# KiCad board LV08.kicad_pcb (continued)
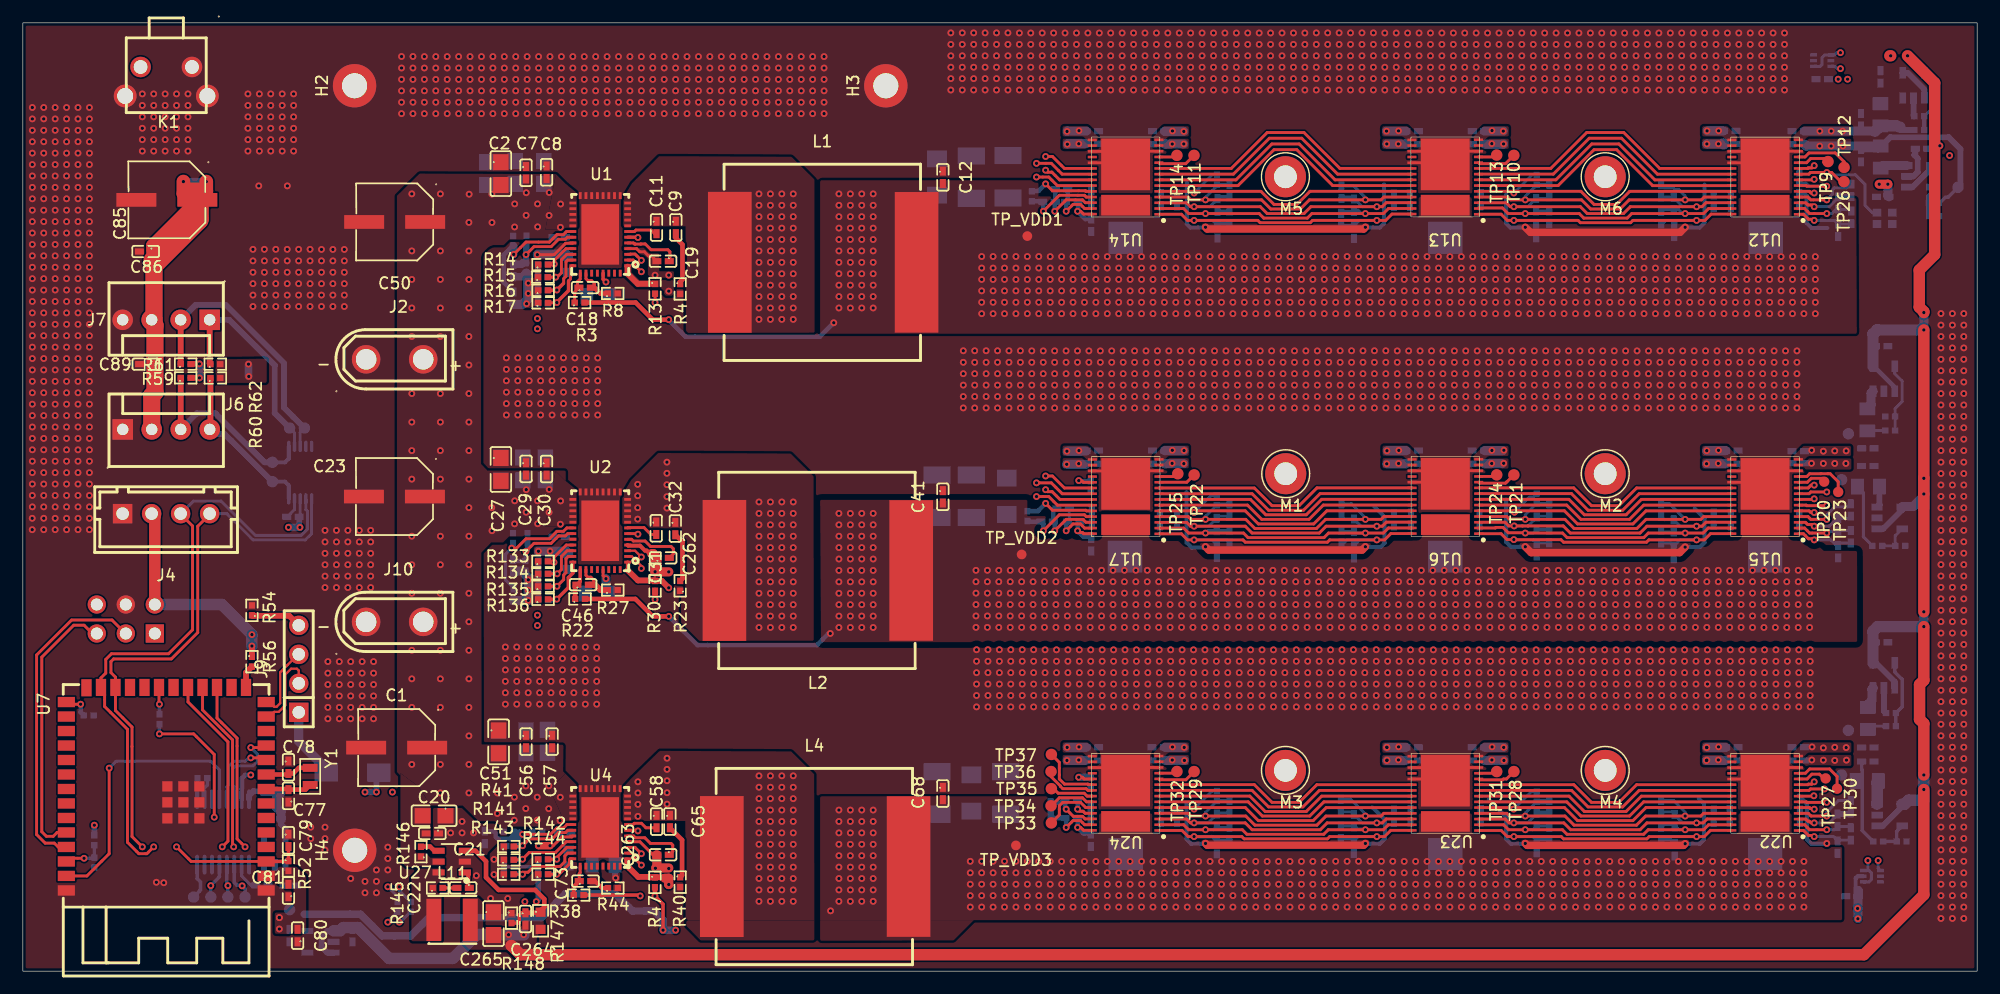
[diagram p0: board, top side]
## Routing (per net, layer and track width the routed paths; a pad name or vN(x,y) marks a point on that pad's centre or on a via; arc(x,y) is an arc through that point) (continued)
Net-(U27-EN): length 1.7
  Top w0.4: U27.4 36.03,10.55 35.66,10.92 34.88,10.92 R146.2
Net-(U27-FB): length 14.1
  Top w0.3: C264.1 43.66,5.12 43.47,4.93 43.47,4.31 43.38,4.22 R148.2
  Top w0.4: 43.97,5.08 C264.1 45.11,5.12 45.36,5.37 45.41,5.37 45.66,5.62 45.66,6.32 44.86,7.12 41.66,7.12 40.56,8.22 40.56,9.62 39.63,10.55 U27.3

## Copper pours and planes (outline as drawn; the poured copper is in the pictures)
/BM1366_mode1_sheet_1/0V8 on Top: 160.11,72.95 160.11,71.98 156.1,71.99 155.87,72.22 155.03,72.22 155.03,72.52 155.97,72.52 156.4,72.95
/BM1366_mode1_sheet_1/0V8 on Top: 102.1,72.95 102.1,72.06 100.09,72.06 99.94,72.22 99.03,72.22 99.03,72.52 99.97,72.52 100.4,72.95
/BM1366_mode1_sheet_1/0V8 on Top: 130.12,72.95 130.12,72.06 128.11,72.06 127.96,72.22 127.04,72.22 127.04,72.52 127.98,72.52 128.41,72.95
/BM1366_mode1_sheet_1/0V8 on Top: 119.04,72.95 119.04,72.06 121.05,72.06 121.2,72.22 122.11,72.22 122.11,72.52 121.17,72.52 120.74,72.95
/BM1366_mode1_sheet_1/0V8 on Top: 91.05,72.95 91.05,72.06 93.06,72.06 93.21,72.22 94.12,72.22 94.12,72.52 93.18,72.52 92.75,72.95
/BM1366_mode1_sheet_1/0V8 on Top: 147.06,72.95 147.06,72.06 149.06,72.06 149.22,72.22 150.13,72.22 150.13,72.52 149.19,72.52 148.76,72.95
/BM1366_mode1_sheet_1/0V8 on In2.Cu: 91.04,72.95 91.04,71.99 93.09,71.99 94.19,73.09 99.03,73.1 100.07,72.08 102.28,72.08 103.19,72.98 108.09,72.99 109.58,74.48 111.56,74.48 113.06,72.99 117.85,72.99 118.76,72.08 121.18,72.08 122.19,73.09 126.96,73.08 127.96,72.08 130.37,72.08 131.29,72.98 136.09,72.98 137.61,74.49 139.57,74.49 141.07,72.99 145.85,72.99 146.77,72.09 149.18,72.09 150.19,73.09 154.97,73.09 156.07,71.98 160.11,71.98 160.11,72.96 156.4,72.95 155.41,73.94 149.73,73.94 148.75,72.95 147.19,72.95 146.28,73.85 143.61,73.85 143.18,73.85 143.11,73.84 141.56,73.84 141.5,73.85 141.47,73.86 139.99,75.34 137.15,75.35 135.66,73.84 132.81,73.84 132.21,73.85 130.86,73.84 130.56,73.55 129.96,72.94 128.4,72.94 127.39,73.95 121.72,73.93 120.81,72.99 120.75,72.94 119.19,72.95 118.27,73.85 115.03,73.83 113.56,73.84 113.5,73.84 111.99,75.34 109.28,75.34 109.17,75.35 107.65,73.83 104.47,73.85 102.85,73.85 101.94,72.93 100.37,72.94 99.39,73.94 93.75,73.94 92.8,72.98 92.76,72.95
/BM1366_mode1_sheet_1/1V8 on Top: 102.1,74.05 102.1,73.08 100.35,73.08 99.99,72.72 99.03,72.72 99.03,73.16 99.91,74.05
/BM1366_mode1_sheet_1/1V8 on Top: 119.04,74.05 119.04,73.08 120.79,73.08 121.15,72.72 122.11,72.72 122.11,73.16 121.23,74.05
/BM1366_mode1_sheet_1/1V8 on Top: 91.05,74.05 91.05,73.08 92.8,73.08 93.16,72.72 94.12,72.72 94.12,73.16 93.23,74.05
/BM1366_mode1_sheet_1/1V8 on Top: 130.12,74.05 130.12,73.08 128.36,73.08 128.01,72.72 127.04,72.72 127.04,73.16 127.93,74.05
/BM1366_mode1_sheet_1/1V8 on Top: 147.06,74.05 147.06,73.08 148.81,73.08 149.17,72.72 150.13,72.72 150.13,73.16 149.24,74.05
/BM1366_mode1_sheet_1/1V8 on Top: 160.09,74.05 160.09,73.08 156.35,73.08 156,72.72 155.03,72.72 155.03,73.16 155.92,74.05
/BM1366_mode1_sheet_1/1V8 on Bottom: 165.06,67.62 165.06,64.34 163.46,64.34 163.46,67.47 163.16,67.77 163.39,68.05 163.91,68.05 163.91,67.87 164.09,67.7 164.16,67.67 164.61,67.67 164.69,67.62
/BM1366_mode1_sheet_1/1V8 on In2.Cu: 91.03,73.25 91.14,73.15 92.69,73.15 93.61,74.07 99.56,74.07 100.46,73.17 101.89,73.17 102.78,74.07 107.59,74.07 109.09,75.57 112.06,75.57 113.56,74.07 118.36,74.07 119.26,73.17 120.69,73.17 121.59,74.07 127.56,74.07 128.46,73.17 129.89,73.17 130.78,74.07 135.59,74.07 137.09,75.57 140.06,75.57 141.56,74.07 146.36,74.07 147.26,73.17 148.69,73.17 149.59,74.07 155.56,74.07 156.46,73.17 160.11,73.17 160.11,74.15 156.81,74.15 156.01,74.95 141.99,74.95 140.53,76.45 136.66,76.45 135.11,74.95 113.96,74.97 112.49,76.45 108.66,76.45 107.16,74.95 93.16,74.95 92.36,74.15 91.03,74.15
/BM1366_mode1_sheet_1/VDD_1 on Top, Bottom, In1.Cu, In2.Cu, In3.Cu, In4.Cu: 69.82,69.2 69.82,55.86 160.6,55.86 160.54,67.75 88.36,67.9 88.93,67.9 88.93,69.32 69.89,69.32
/BM1366_mode1_sheet_2/0V8_2 on Top: 160.11,44.94 160.11,43.96 156.1,43.97 155.87,44.2 155.03,44.2 155.03,44.51 155.97,44.51 156.4,44.94
/BM1366_mode1_sheet_2/0V8_2 on Top: 147.06,44.94 147.06,44.05 149.06,44.05 149.22,44.2 150.13,44.2 150.13,44.51 149.19,44.51 148.76,44.94
/BM1366_mode1_sheet_2/0V8_2 on Top: 119.07,44.96 119.07,44.07 121.07,44.07 121.23,44.23 122.14,44.23 122.14,44.53 121.2,44.53 120.77,44.96
/BM1366_mode1_sheet_2/0V8_2 on Top: 130.09,44.94 130.09,44.05 128.08,44.05 127.93,44.2 127.02,44.2 127.02,44.51 127.96,44.51 128.39,44.94
/BM1366_mode1_sheet_2/0V8_2 on Top: 102.1,44.96 102.1,44.07 100.09,44.07 99.94,44.23 99.03,44.23 99.03,44.53 99.97,44.53 100.4,44.96
/BM1366_mode1_sheet_2/0V8_2 on Top: 91.05,44.96 91.05,44.07 93.06,44.07 93.21,44.23 94.12,44.23 94.12,44.53 93.18,44.53 92.75,44.96
/BM1366_mode1_sheet_2/0V8_2 on Bottom: 155.57,44.94 155.57,44.05 155.82,43.79 157.72,43.79 159.76,41.76 161.28,41.76 161.28,44.94
/BM1366_mode1_sheet_2/0V8_2 on In2.Cu: 91.04,44.94 91.04,43.98 93.09,43.98 94.19,45.08 99.03,45.09 100.07,44.07 102.28,44.07 103.19,44.97 108.09,44.98 109.58,46.47 111.56,46.47 113.06,44.98 117.85,44.98 118.76,44.07 121.18,44.07 122.19,45.08 126.96,45.07 127.96,44.07 130.37,44.07 131.29,44.97 136.09,44.97 137.61,46.48 139.57,46.48 141.07,44.98 145.85,44.98 146.77,44.08 149.18,44.08 150.19,45.08 154.97,45.08 156.07,43.97 160.11,43.97 160.11,44.95 156.4,44.94 155.41,45.93 149.73,45.93 148.75,44.94 147.19,44.94 146.28,45.84 143.61,45.84 143.18,45.84 143.1,45.83 141.56,45.83 141.49,45.83 141.46,45.85 139.99,47.33 137.15,47.34 135.65,45.83 132.81,45.83 132.2,45.83 130.85,45.83 130.56,45.54 129.96,44.93 128.4,44.93 127.39,45.94 121.72,45.92 120.81,44.98 120.75,44.93 119.19,44.93 118.26,45.84 115.03,45.82 113.55,45.83 113.49,45.83 111.99,47.33 109.28,47.33 109.16,47.33 107.65,45.81 104.47,45.83 102.85,45.84 101.94,44.92 100.37,44.93 99.38,45.93 93.75,45.92 92.8,44.97 92.76,44.93
/BM1366_mode1_sheet_2/1V8_2 on Top: 91.05,46.05 91.05,45.09 92.8,45.09 93.16,44.73 94.12,44.73 94.12,45.17 93.23,46.05
/BM1366_mode1_sheet_2/1V8_2 on Top: 130.09,46.03 130.09,45.06 128.34,45.06 127.98,44.71 127.02,44.71 127.02,45.14 127.91,46.03
/BM1366_mode1_sheet_2/1V8_2 on Top: 160.09,46.03 160.09,45.06 156.35,45.06 156,44.71 155.03,44.71 155.03,45.14 155.92,46.03
/BM1366_mode1_sheet_2/1V8_2 on Top: 147.06,46.03 147.06,45.06 148.81,45.06 149.17,44.71 150.13,44.71 150.13,45.14 149.24,46.03
/BM1366_mode1_sheet_2/1V8_2 on Top: 119.07,46.05 119.07,45.09 120.82,45.09 121.17,44.73 122.14,44.73 122.14,45.17 121.25,46.05
/BM1366_mode1_sheet_2/1V8_2 on Top: 102.1,46.05 102.1,45.09 100.35,45.09 99.99,44.73 99.03,44.73 99.03,45.17 99.91,46.05
/BM1366_mode1_sheet_2/1V8_2 on Bottom: 155.83,46.22 157.98,46.21 159.5,47.73 162.3,47.73 162.3,46.72 161.79,46.21 161.15,46.21 161.15,45.06 155.57,45.06 155.57,45.95
/BM1366_mode1_sheet_2/1V8_2 on In2.Cu: 91.03,45.23 91.13,45.13 92.68,45.13 93.61,46.06 99.56,46.06 100.46,45.16 101.88,45.16 102.78,46.06 107.58,46.06 109.08,47.56 112.06,47.56 113.56,46.06 118.36,46.06 119.26,45.16 120.68,45.16 121.58,46.06 127.56,46.06 128.46,45.16 129.88,45.16 130.78,46.06 135.58,46.06 137.08,47.56 140.06,47.56 141.56,46.06 146.36,46.06 147.26,45.16 148.68,45.16 149.58,46.06 155.56,46.06 156.46,45.16 160.11,45.16 160.11,46.13 156.81,46.13 156.01,46.93 141.98,46.93 140.53,48.43 136.66,48.43 135.11,46.93 113.96,46.96 112.48,48.43 108.66,48.43 107.16,46.93 93.16,46.93 92.36,46.13 91.03,46.13
/BM1366_mode1_sheet_2/VDD_2 on Top, Bottom, In1.Cu, In2.Cu, In3.Cu, In4.Cu: 69.82,41.3 69.89,28.83 160.62,28.86 160.62,34.8 160.61,36.82 159.6,36.83 157.7,36.83 155.95,38.41 155.95,39.58 87.96,39.89 87.96,41.3
/BM1366_mode1_sheet_3/0V8_3 on Top: 130.09,18.95 130.09,18.06 128.08,18.06 127.93,18.22 127.02,18.22 127.02,18.52 127.96,18.52 128.39,18.95
/BM1366_mode1_sheet_3/0V8_3 on Top: 119.04,18.94 119.04,18.05 121.05,18.05 121.2,18.2 122.11,18.2 122.11,18.51 121.17,18.51 120.74,18.94
/BM1366_mode1_sheet_3/0V8_3 on Top: 147.06,18.95 147.06,18.06 149.06,18.06 149.22,18.22 150.13,18.22 150.13,18.52 149.19,18.52 148.76,18.95
/BM1366_mode1_sheet_3/0V8_3 on Top: 91.05,18.95 91.05,18.06 93.06,18.06 93.21,18.22 94.12,18.22 94.12,18.52 93.18,18.52 92.75,18.95
/BM1366_mode1_sheet_3/0V8_3 on Top: 160.11,18.95 160.11,17.99 156.1,17.99 155.87,18.22 155.03,18.22 155.03,18.52 155.97,18.52 156.4,18.95
/BM1366_mode1_sheet_3/0V8_3 on Top: 102.1,18.95 102.1,18.06 100.09,18.06 99.94,18.22 99.03,18.22 99.03,18.52 99.97,18.52 100.4,18.95
/BM1366_mode1_sheet_3/0V8_3 on Bottom: 155.64,18.95 155.64,18.14 155.9,17.89 157.8,17.89 159.73,15.95 161.36,15.96 161.36,18.95
/BM1366_mode1_sheet_3/0V8_3 on In2.Cu: 91.04,18.96 91.04,18 93.09,18 94.19,19.1 99.03,19.11 100.07,18.09 102.28,18.09 103.19,18.99 108.09,19 109.58,20.49 111.56,20.49 113.06,19 117.85,19 118.76,18.09 121.18,18.09 122.19,19.1 126.96,19.09 127.96,18.09 130.37,18.09 131.29,18.99 136.09,18.99 137.61,20.5 139.57,20.5 141.07,19 145.85,19 146.77,18.1 149.18,18.1 150.19,19.1 154.97,19.1 156.07,17.99 160.11,17.99 160.11,18.97 156.4,18.96 155.41,19.95 149.73,19.95 148.75,18.96 147.19,18.96 146.28,19.86 143.61,19.86 143.18,19.85 143.11,19.85 141.56,19.85 141.5,19.85 141.47,19.87 139.99,21.35 137.15,21.35 135.65,19.85 132.81,19.85 132.21,19.85 130.86,19.85 130.56,19.55 129.96,18.95 128.4,18.95 127.39,19.95 121.72,19.94 120.81,19 120.75,18.95 119.19,18.95 118.27,19.86 115.03,19.84 113.56,19.85 113.49,19.85 111.99,21.35 109.28,21.35 109.17,21.35 107.65,19.83 104.47,19.85 102.85,19.86 101.94,18.94 100.37,18.95 99.39,19.95 93.75,19.94 92.8,18.99 92.76,18.95
/BM1366_mode1_sheet_3/1V8_3 on Top: 91.05,20.05 91.05,19.08 92.8,19.08 93.16,18.72 94.12,18.72 94.12,19.16 93.23,20.05
/BM1366_mode1_sheet_3/1V8_3 on Top: 119.04,20.03 119.04,19.07 120.79,19.07 121.15,18.71 122.11,18.71 122.11,19.14 121.23,20.03
/BM1366_mode1_sheet_3/1V8_3 on Top: 102.1,20.05 102.1,19.08 100.35,19.08 99.99,18.72 99.03,18.72 99.03,19.16 99.91,20.05
/BM1366_mode1_sheet_3/1V8_3 on Top: 147.06,20.05 147.06,19.08 148.81,19.08 149.17,18.72 150.13,18.72 150.13,19.16 149.24,20.05
/BM1366_mode1_sheet_3/1V8_3 on Top: 130.09,20.05 130.09,19.08 128.34,19.08 127.98,18.72 127.02,18.72 127.02,19.16 127.91,20.05
/BM1366_mode1_sheet_3/1V8_3 on Top: 160.11,20.05 160.11,19.08 156.35,19.08 156,18.72 155.03,18.72 155.03,19.16 155.92,20.05
/BM1366_mode1_sheet_3/1V8_3 on Bottom: 162.27,21.75 159.68,21.75 158.16,20.22 155.97,20.22 155.62,19.97 155.62,19.16 161.41,19.16 161.41,20.27 161.66,20.27 162.27,20.63
/BM1366_mode1_sheet_3/1V8_3 on In2.Cu: 91.03,19.25 91.13,19.15 92.68,19.15 93.61,20.08 99.56,20.08 100.46,19.18 101.88,19.18 102.78,20.08 107.58,20.08 109.08,21.58 112.06,21.58 113.56,20.08 118.36,20.08 119.26,19.18 120.68,19.18 121.58,20.08 127.56,20.08 128.46,19.18 129.88,19.18 130.78,20.08 135.58,20.08 137.08,21.58 140.06,21.58 141.56,20.08 146.36,20.08 147.26,19.18 148.68,19.18 149.58,20.08 155.56,20.08 156.46,19.18 160.11,19.18 160.11,20.15 156.81,20.15 156.01,20.95 141.98,20.95 140.53,22.45 136.66,22.45 135.11,20.95 113.96,20.98 112.48,22.45 108.66,22.45 107.16,20.95 93.16,20.95 92.36,20.15 91.03,20.15
/BM1366_mode1_sheet_3/VDD_3 on Top: 69.82,4.47 69.82,2.67 81.5,2.7 83.28,4.48
/BM1366_mode1_sheet_3/VDD_3 on Top, Bottom, In1.Cu, In2.Cu, In3.Cu, In4.Cu: 69.82,15.32 69.82,4.47 159.3,4.47 159.3,10.88 156.48,10.88 155.87,11.54 155.9,13.44 155.19,13.44 154.8,13.82 93.51,13.82 89.86,13.82 89.83,15.32
/Buck_Converters_TPS546D24ARVFR/AGND0 on Top: 45.41,62.29 44.82,62.29 44.82,60.76 43.91,60.76 43.91,58.12 44.42,58.12 44.62,58.3 45.41,58.27
/Buck_Converters_TPS546D24ARVFR/AGND0 on Bottom: 51.36,60.82 50.74,60.82 50.63,60.72 50.63,58.47 51.51,58.47 51.51,60.72
/Buck_Converters_TPS546D24ARVFR/AGND1 on Top: 45.41,36.25 44.82,36.25 44.82,34.73 43.91,34.73 43.91,32.08 44.42,32.08 44.62,32.26 45.41,32.24
/Buck_Converters_TPS546D24ARVFR/AGND2 on Top: 50.97,9.61 50.66,9.61 50.66,8.28 51.15,7.8 52.09,7.8 52.29,8.01 52.29,8.64 51.17,8.64 50.97,8.84
/Buck_Converters_TPS546D24ARVFR/AGND2 on Top: 45.38,8.18 44.67,7.47 41.75,7.47 40.88,8.34 40.88,10.29 41.85,11.26 42.41,11.26 42.41,9.4 42.46,9.35 43.93,9.35 44.77,10.16 45.41,10.16 45.41,9.48 44.72,9.48 44.54,9.38 44.19,9 44.16,8.97 42.41,8.97 42.41,8.03 44.03,8.03 44.85,8.84 45.41,8.84 45.41,8.18
/Buck_Converters_TPS546D24ARVFR/AGND2 on Bottom: 39.69,11.33 39.69,9.4 41.06,8.03 41.62,8.03 41.62,10.57 42.54,10.57 42.54,11.33
GND on Top, Bottom, In1.Cu, In2.Cu, In3.Cu, In4.Cu: 174.91,84.81 175.16,-3.84 -2.64,-3.38 -2.39,85.52
GND on Bottom: 165.88,72.55 163.69,72.55 163.54,72.39 163.54,71.43 165.88,71.43
VCC_3V3 on Top: 20.54,8.87 20.54,7.88 22.17,7.88 22.47,7.6 23.69,7.57 23.74,5.72 23.16,5.14 22.06,5.14 22.06,3.28 23.36,3.26 23.36,3.46 24.81,3.46 24.81,8.31 23.97,9.15 22.44,9.15 22.14,8.84 20.57,8.84
VCC_3V3 on Bottom: 22.74,9.87 23.29,9.87 23.36,9.81 23.38,9.75 23.38,9.34 23.41,6.32 24.41,5.3 25.81,5.27 25.82,4.7 25.35,4.24 25.34,4.2 25.34,3.26 22.16,3.26 22.09,3.28 22.05,3.32 22.04,3.37 22.03,7.09 22.01,7.14 21.97,7.16 21.06,7.17 20.97,7.19 20.94,7.23 20.93,7.27 20.93,7.89 20.92,7.93 20.9,7.95 20.86,7.96 19.89,7.96 19.83,7.98 19.8,8 19.74,8.07 19.66,8.14 19.64,8.18 19.63,8.21 19.63,8.23 19.63,9.87 22.73,9.87
VCC_3V3 on Bottom: 157.9,79.56 159.12,79.56 159.12,78.64 157.7,78.64 157.7,77.73 160.19,77.73 160.19,80.01 157.9,80.01
VCC_5V0 on Top: 21.35,53.67 21.35,51.57 16.88,51.54 16.85,53.62
VCC_5V0 on Top: 38.5,6.43 38.5,2.52 39.13,1.88 42.43,1.86 43.3,1 45.15,1 45.15,2.01 45,2.19 45,3.08 45.61,3.69 45.61,4.45 43.83,4.45 43.83,4.12 43.45,3.74 40.3,3.74 40.33,6.02 39.87,6.46
VCC_5V0 on Bottom: 165.62,80.73 162.12,80.73 162.12,78.39 163.29,78.39 163.44,78.24 165.62,78.24
VCC_5V0 on Bottom: 166.41,72.62 168.22,72.62 169.13,71.73 169.13,71.12 168.82,70.84 168.57,70.84 167.96,70.24 166.41,70.26
VCC_12V0 on Top: 47.49,17.33 48.51,16.31 48.56,13.14 47.49,12.96 46.14,15.93
VCC_12V0 on Top: 47.51,69.02 48.51,68.2 48.56,65.18 47.51,65 45.76,65 46.68,69.85
VCC_12V0 on Top: 33.06,17.35 33.06,9.63 33.6,9.12 35.58,9.12 35.73,9.28 36.87,9.28 36.87,9.94 35.7,9.94 35.27,10.37 34.46,10.37 34.38,10.47 34.38,11.38 35.35,11.38 35.7,11.71 35.7,14.51 34.69,16.16
VCC_12V0 on Top: 47.48,43 48.47,42.19 48.53,39.17 47.48,38.99 45.73,38.99 46.65,43.84
VCC_12V0 on Top, Bottom, In4.Cu: 34.74,69.9 32.76,67.95 32.76,17.45 35.7,14.51 38.52,14.51 39.92,13.14 41.34,13.14 41.77,12.76 41.77,11.87 42.41,11.87 42.41,12.68 45.2,12.68 45.2,11.59 47.11,11.59 47.11,12.58 47.49,12.96 47.49,17.33 47.31,17.51 47.34,19.84 40.17,19.87 40.15,36.68 41.01,37.57 42.05,37.57 42.59,38.1 44.47,38.1 45.03,37.55 46.78,37.55 46.78,38.54 47.08,38.54 47.51,38.99 47.54,43.87 40.68,43.87 40.12,44.45 40.12,62.59 40.22,62.89 40.48,63.17 40.71,63.4 40.96,63.56 41.19,63.63 42.1,63.63 42.59,64.11 44.44,64.11 44.92,63.63 45.71,63.63 45.71,63.58 46.63,63.58 46.63,64.52 47.03,64.52 47.51,65 47.51,69.02 46.68,69.85
VCC_12V0 on In4.Cu: 16.25,69.84 13.85,69.85 13.58,69.67 13.45,69.28 13.47,68.96 13.65,68.76 13.92,68.64 17.96,64.58 32.04,64.58 32.82,63.84 33.45,63.84 33.35,68.33 32.16,67.15 18.99,67.14 16.29,69.83
/Buck_Converters_TPS546D24ARVFR/PGOOD_1 on Top: 53.31,62.01 52.65,62.03 52.67,60.99 53.74,59.95 55.79,59.95 56.15,59.59 56.15,59.36 56.33,59.19 56.81,59.19 57.01,59.39 56.99,60.56 53.99,60.56 53.31,61.24
Net-(C11-Pad1) on Top, Bottom, In1.Cu, In2.Cu, In3.Cu: 55.72,71.42 53.33,69.03 52.57,67.74 52.57,65.28 58.03,65.28 58.05,61.72 58.05,56.14 58.26,55.94 69.33,55.96 69.32,69.38 67.3,71.37
Net-(C11-Pad1) on In4.Cu: 67.27,71.26 55.77,71.24 53.33,68.81 53.35,65.51 53.68,65.18 54.45,65.18 58.54,61.11 58.54,55.73 69.32,55.73 69.31,69.2
Net-(C31-Pad1) on Top, Bottom, In1.Cu, In2.Cu, In3.Cu: 55.64,45.41 53.25,43.03 52.49,41.73 52.49,38.87 57.7,38.79 57.65,35.71 57.63,30.55 59.23,28.95 69.26,28.96 69.24,43.37 67.22,45.36
Net-(C31-Pad1) on In4.Cu: 58.05,45.25 58.04,32.51 58.53,32.01 58.54,28.74 69.3,28.74 69.3,43.23 67.28,45.25
Net-(C58-Pad1) on Top: 69.31,4.42 58.09,4.42 58.1,3.97 59.36,2.69 69.31,2.7
Net-(C58-Pad1) on Top, Bottom, In1.Cu, In2.Cu, In3.Cu: 55.77,19.31 53.31,16.92 52.54,16.08 52.54,13.16 58,13.16 58.03,9.61 58.03,4.68 58.28,4.42 69.31,4.42 69.29,17.26 67.28,19.26
Net-(C58-Pad1) on In4.Cu: 58.55,19.25 58.53,6.02 58.53,6.01 58.54,4.37 69.3,4.37 69.3,17.23 67.28,19.25
Net-(U1-BP1V5) on Top: 55.72,62.95 54.93,62.95 54.37,63.45 53.59,63.45 53.46,63.53 52.62,63.53 52.62,63.2 53.46,63.2 53.51,63.12 53.99,62.87 54.65,62.54 54.75,62.39 54.73,61.04 55.08,60.66 57.01,60.66 57.01,61.35 55.77,61.35 55.72,61.4
Net-(U1-BP1V5) on Bottom: 44.77,58.27 44.57,58.07 44.57,55.83 45.43,55.83 45.43,58.17 45.38,58.22 45.38,62.23 44.77,62.23
Net-(U1-VDD5) on Top: 44.74,62.46 44.85,62.38 46.29,62.39 46.48,62.57 46.55,62.71 47.38,63.43 47.47,63.49 47.58,63.52 47.71,63.57 47.96,63.64 48.51,63.64 48.51,64.03 47.76,64.03 47.58,63.97 47.1,63.97 46.49,63.36 46.3,63.25 44.89,63.25 44.74,63.1
Net-(U2-BP1V5) on Bottom: 44.82,32.31 44.62,32.11 44.62,29.87 45.48,29.87 45.48,32.21 45.43,32.26 45.43,36.28 44.82,36.28
Net-(U2-VDD5) on Top: 48.51,38.03 47.77,38.03 47.31,37.9 47.01,37.9 46.32,37.24 44.75,37.24 44.75,36.4 46.35,36.4 46.57,36.73 47.44,37.6 47.84,37.65 47.92,37.7 48.51,37.7
Net-(U4-BP1V5) on Bottom: 44.82,7.69 43.51,6.37 43.52,5.86 43.74,5.65 45.08,5.65 45.39,5.99 45.41,10.13 44.83,10.13 44.83,9.31 42.4,9.3 42.4,10.11 41.82,10.11 41.82,8.15 42.42,8.14 42.4,8.94 44.83,8.93
Net-(U4-GOSNS/SLAVE) on Top: 49.17,9.53 49.17,8.62 49.39,8.39 49.62,8.39 49.62,7.34 50.49,7.32 50.49,8.72 49.52,8.74 49.47,8.84 49.47,9.53
Net-(U4-VDD5) on Bottom: 44.72,11.43 48.28,11.43 48.28,10.16 47.26,10.16 46.85,10.52 44.72,10.52
Net-(U18-SW) on Bottom: 163.85,76.51 162.22,76.51 161.87,76.2 161.87,74.93 163.39,74.93 163.8,75.34 164.91,75.34 164.91,77.02 164.35,77.02
Net-(U27-LX) on Top: 36.85,9 34.81,9 34.03,8.21 34.03,2.62 36.67,2.62 36.67,6.66 36.41,6.94 36.41,7.7 36.85,8.13
